# Altium PCB PCB1.PcbDoc
Units mm, origin at the board's own origin, x right, y up, seen from the top; angles counter-clockwise.
Board outline 110 x 110 mm, 2 copper layers (Top Layer, Bottom Layer); 63 components, 57 nets, 317 pads, 13 vias.
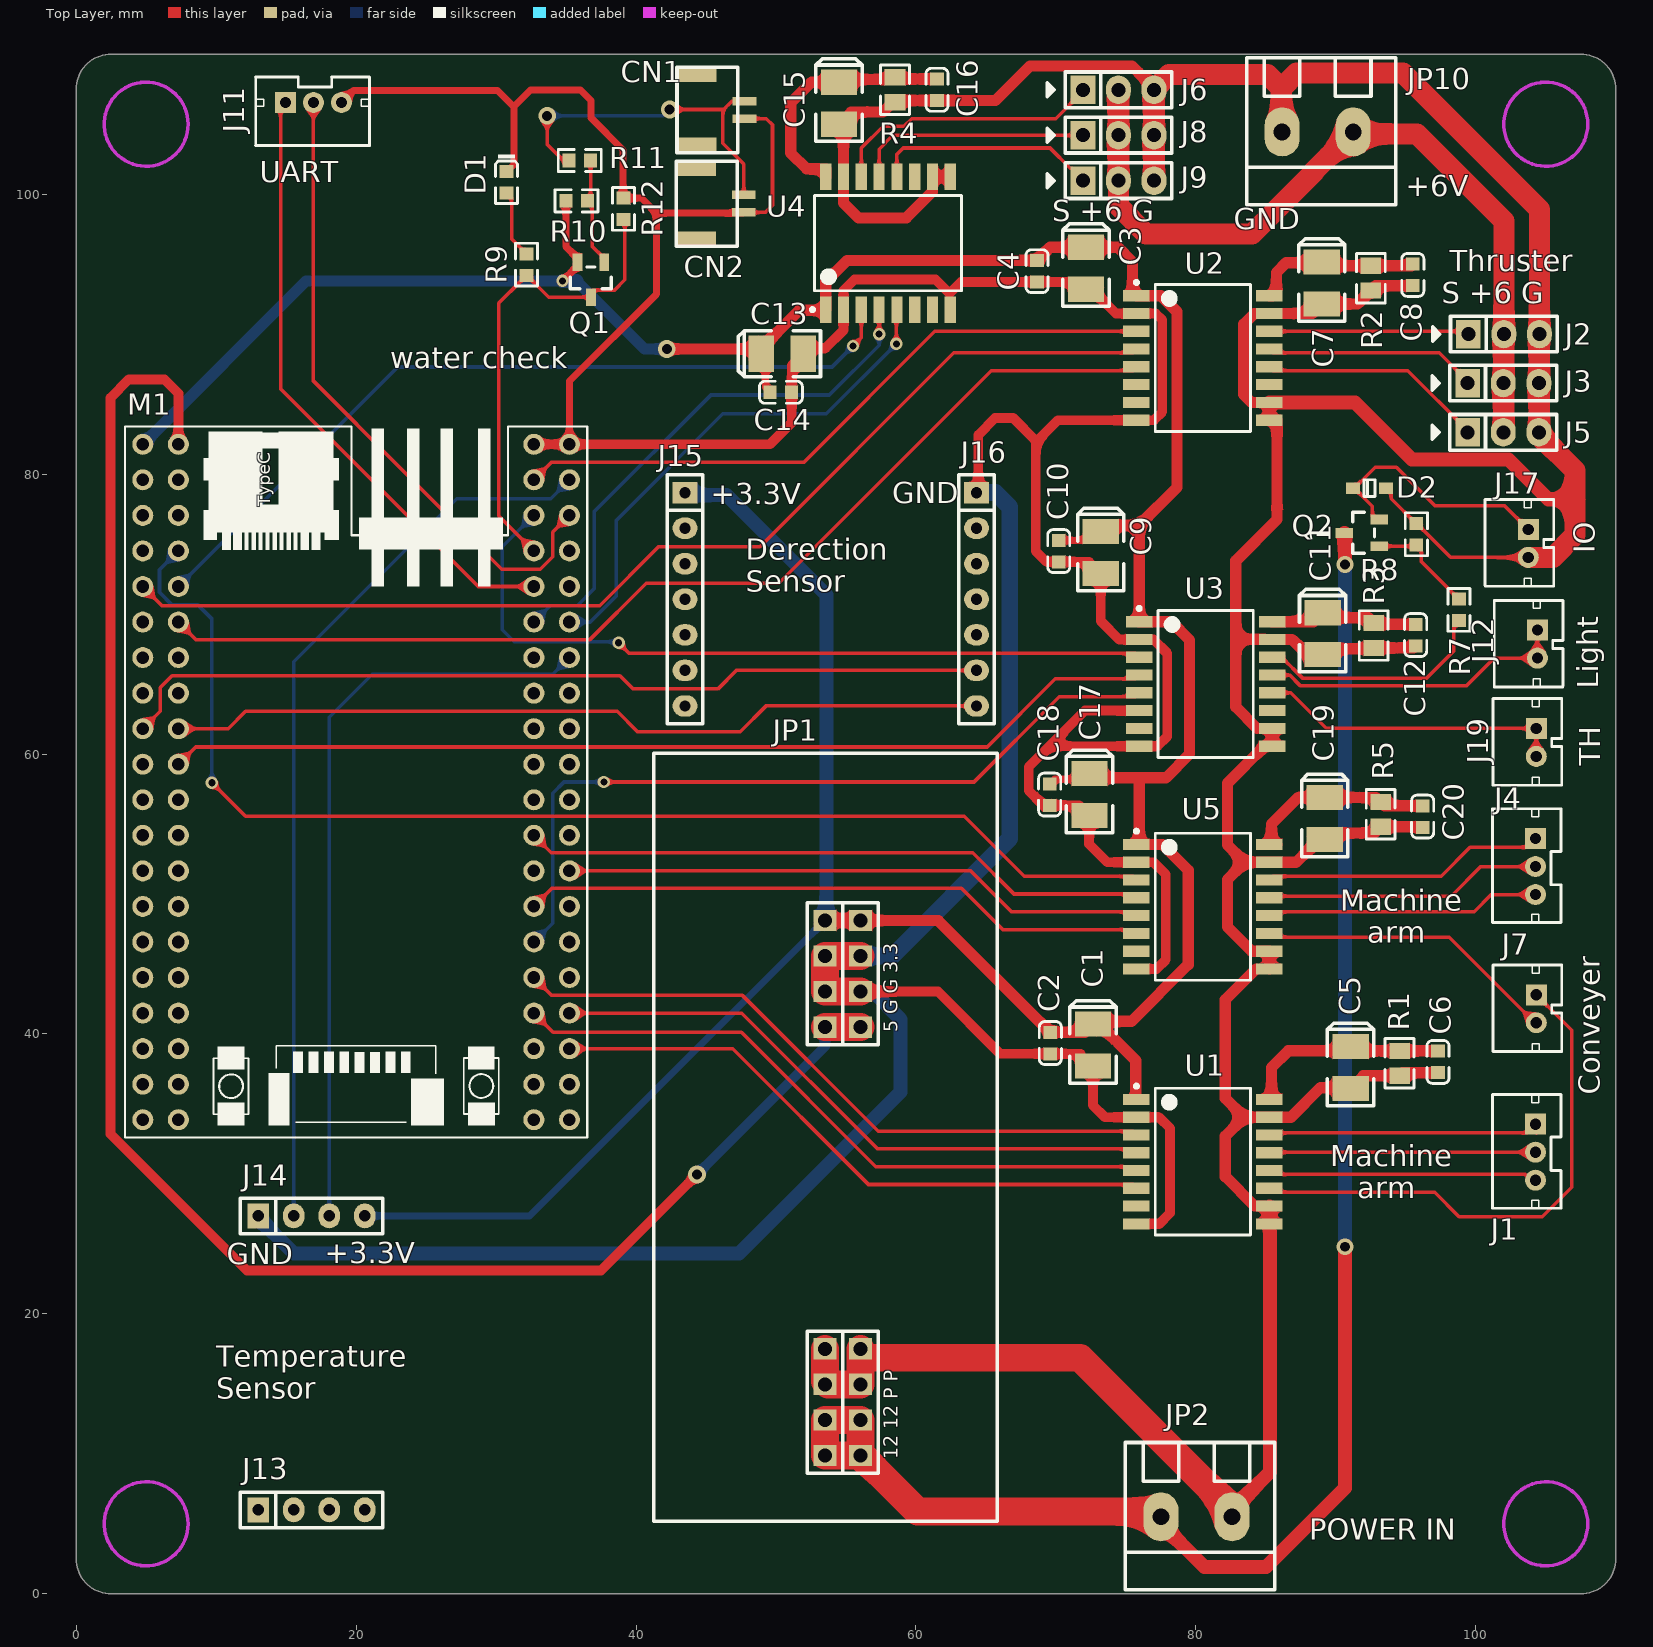
[diagram p0: Top Layer view]
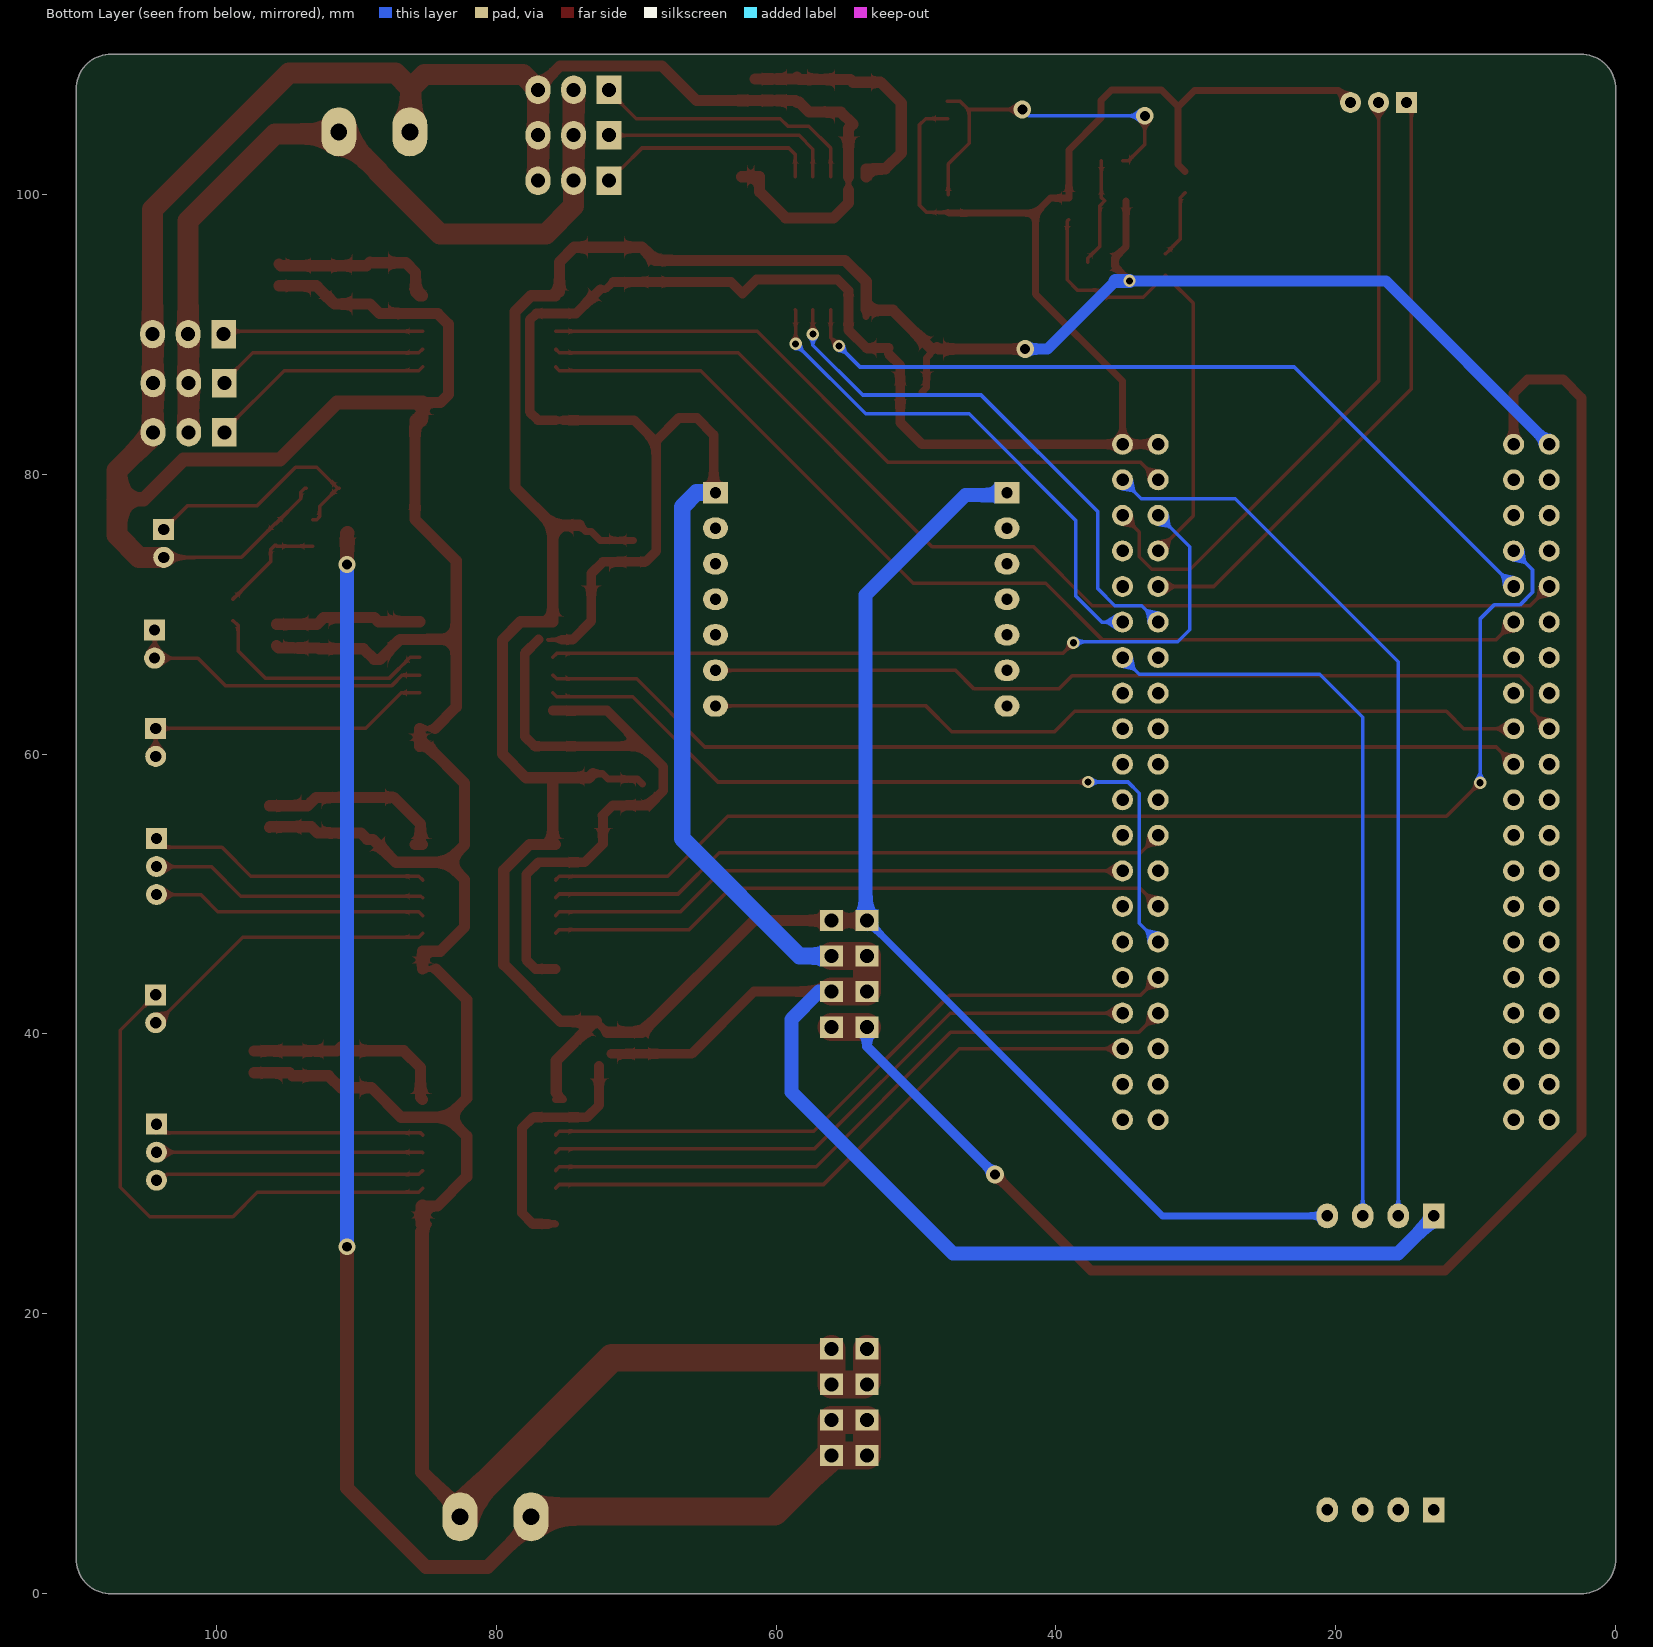
[diagram p1: Bottom Layer view, seen from below]

## Layer stack, top to bottom
Top Solder: solder mask 0.0102, Solder Resist, Dk 3.5
Top Layer: signal copper 0.0356
Dielectric 1: dielectric 0.32, FR-4, Dk 4.8
Bottom Layer: signal copper 0.0356
Bottom Solder: solder mask 0.0102, Solder Resist, Dk 3.5

## Board outline
2.5,0 cw(c2.5,2.5) 0,2.5 0,107.5 cw(c2.5,107.5) 2.5,110 107.5,110 cw(c107.5,107.5) 110,107.5 110,2.5 cw(c107.5,2.5) 107.5,0

## Design rules (kind name [scope] priority, off if disabled: settings)
Clearance [All] p1: gap=0.254 ignorepadtopadclearanceinfootprint=FALSE
PolygonConnect [All] p1: connectstyle=Relief reliefconductorwidth=0.254 reliefentries=4 polygonreliefangle="90 Angle" airgapwidth=0.254
RoutingVias [All] p1: holewidth=0.711 width=1.27 viastyle="Through Hole" minholewidth=0.508 minwidth=0.889 maxholewidth=0.711 maxwidth=1.27
SolderMaskExpansion [All] p1: expansion=0.102
Width [All] p1: maxlimit=3 minlimit=0.254 preferedwidth=0.254
30 further rules are at their usual default settings.

## Classes and differential pairs
component class STM32: M1
component class OUTPUT: D2 J1 J2 J3 J4 J5 J6 J7 J8 J9 J11 J12 J17 J19 JP10 Q2 R7 R8
component class ISOLATOR: C1 C2 C3 C4 C5 C6 C7 C8 C9 C10 C11 C12 C13 C14 C15 C16 C17 C18 C19 C20 R1 R2 R3 R4 R5 U1 U2 U3 U4 U5
component class POWER: JP1 JP2
component class Designator: CN1 CN2 D1 J13 J14 J15 J16 Q1 R9 R10 R11 R12

## Components (designator, comment, footprint, x,y, rotation, side; value= is the part's Value field where it differs from the comment)
C1 "10uF" CASE-B_3528 72.65,39.2 r90 top
C2 "0.1uF" 0603_C 69.6,39.35 r90 top
C3 "10uF" CASE-B_3528 72.15,94.71 r90 top
C4 "0.1uF" 0603_C 68.65,94.5 r90 top
C5 "10uF" CASE-B_3528 91.05,37.6 r90 top
C6 "0.1uF" 0603_C 97.3,38 r90 top
C7 "10uF" CASE-B_3528 89,93.657 r90 top
C8 "0.1uF" 0603_C 95.5,94.23 r90 top
C9 "10uF" CASE-B_3528 73.2,74.4 r90 top
C10 "0.1uF" 0603_C 70.2,74.5 r90 top
C11 "10uF" CASE-B_3528 89.05,68.6 r90 top
C12 "0.1uF" 0603_C 95.7,68.5 r90 top
C13 "10uF" CASE-B_3528 50.45,88.6 r180 top
C14 "0.1uF" 0603_C 50.35,85.85 r180 top
C15 "10uF" CASE-B_3528 54.5,106.5 r90 top
C16 "0.1uF" 0603_C 61.5,107.46 r90 top
C17 "10uF" CASE-B_3528 72.4,57.1 r90 top
C18 "0.1uF" 0603_C 69.55,57.1 r90 top
C19 "10uF" CASE-B_3528 89.2,55.402 r90 top
C20 "0.1uF" 0603_C 96.2,55.53 r90 top
CN1 "1.25T-2AW_C722634" GH-1.25 47.75,106.65 r270 top
CN2 "1.25T-2AW_C722634" GH-1.25 47.7,99.95 r270 top
D1 "红灯 0603" 0603_LED_S1 30.75,100.86 r270 top
D2 "1N4148WS T4" SOD-323 92.4,79 r0 top
J1 "PH2.0-3P" PH2.0-3P 104.268,33.55 r270 top
J2 "HDR1x3" PIN-3-2.54-1.0 102,90 r0 top
J3 "HDR1x3" PIN-3-2.54-1.0 101.96,86.5 r0 top
J4 "PH2.0-3P" PH2.0-3P 104.268,53.96 r270 top
J5 "HDR1x3" PIN-3-2.54-1.0 101.96,82.988 r0 top
J6 "HDR1x3" PIN-3-2.54-1.0 74.46,107.46 r0 top
J7 "PH2.0-2P" PH2.0-2P 104.318,42.8 r270 top
J8 "HDR1x3" PIN-3-2.54-1.0 74.46,104.21 r0 top
J9 "HDR1x3" PIN-3-2.54-1.0 74.46,100.96 r0 top
J11 "PH2.0-3P" PH2.0-3P 14.95,106.55 r0 top
J12 "PH2.0-2P" PH2.0-2P 104.4,68.85 r270 top
J13 "Female HDR1X4" Fe-HDR1X4/2.54-S 13,6 r90 top
J14 "Female HDR1X4" Fe-HDR1X4/2.54-S 13,27 r90 top
J15 "Female HDR1X7" Fe-HDR1X7/2.54-S#1 43.5,78.675 r180 top
J16 "Female HDR1X7" Fe-HDR1X7/2.54-S#2 64.328,78.675 r0 top
J17 "PH2.0-2P" PH2.0-2P 103.75,76.05 r270 top
J19 "PH2.0-2P" PH2.0-2P 104.318,61.831 r270 top
JP1 "排针-座 2*4" "排针-座 2*4" 56.04,9.88 r180 top
JP2 "HDR-1X2" KF128-5.08-2P#1 82.58,5.5 r180 top
JP10 "HDR-1X2" KF128-5.08-2P#2 88.7,104.45 r180 top
M1 "FK750M2-VBT6核心板" FK750M2-VBT6(精简版) 20,58 r90 top
Q1 "SS8550 Y2" SOT-23(SOT-23-3) 36.771,93.9 r90 top
Q2 "SI2302" SOT-23(SOT-23-3) 91.85,75.8 r0 top
R1 "5.1KΩ (5101) ±1%" 0805_R 94.55,37.9 r90 top
R2 "5.1KΩ (5101) ±1%" 0805_R 92.5,94 r90 top
R3 "5.1KΩ (5101) ±1%" 0805_R 92.7,68.47 r90 top
R4 "5.1KΩ (5101) ±1%" 0805_R 58.5,107.46 r90 top
R5 "5.1KΩ (5101) ±1%" 0805_R 93.2,55.69 r90 top
R7 "300Ω" 0603_R 98.8,70.3 r270 top
R8 "4.7KΩ (4701) ±1%" 0603_R 95.75,75.7 r270 top
R9 "240Ω (2400) ±1%" 0603_R 32.176,94.965 r270 top
R10 "27KΩ (2702) ±1%" 0603_R 35.75,99.52 r180 top
R11 "1KΩ (1001) ±1%" 0603_R 35.98,102.4 r0 top
R12 "1KΩ (1001) ±1%" 0603_R 39.1,98.95 r270 top
U1 "ISOW7840" ISOW7840 80.5,30.875 r0 top
U2 "ISOW7840" ISOW7840 80.5,88.298 r0 top
U3 "ISOW7840" ISOW7840 80.7,65.006 r0 top
U4 "ISOW7840" ISOW7840 58,96.5 r90 top
U5 "ISOW7840" ISOW7840 80.5,49.089 r0 top

## Footprints (in the part's own frame and the unit in brackets; to place one, negate y for a bottom-side part, rotate by r counter-clockwise, add the part's x,y. Pads: shape width x height; smd on the part's side, far side on the other; paste and mask are expansions set on the pad)
0603_C [mm]
  rect 0.93x0.98 smd: 1(-0.77,0) 2(0.77,0)
  silkscreen extent -1.53,-0.79 1.54,0.79, body extent -0.8,-0.4 0.8,0.4, height 0.3
0603_LED_S1 [mm]
  rect 0.93x0.98 smd: A(0.77,0) K(-0.77,0)
  silkscreen extent -1.97,-0.79 1.54,0.79, body extent -0.8,-0.4 0.8,0.4, height 0.6
0603_R [mm]
  rect 0.93x0.98 smd: 1(-0.77,0) 2(0.77,0)
  silkscreen extent -1.54,-0.79 1.54,0.79, body extent -0.85,-0.4 0.85,0.4, height 0.56
0805_R [mm]
  rect 1.16x1.47 smd: 1(-0.89,0) 2(0.89,0)
  silkscreen extent -1.77,-1.04 1.77,1.03, body extent -1,-0.62 1,0.63, height 0.49
CASE-B_3528 [mm]
  rect 1.8x2.6 smd: 1(1.5,0) 2(-1.5,0)
  silkscreen extent -2.73,-1.65 3.16,1.65, body extent -1.85,-1.47 1.85,1.46, height 2.03
Fe-HDR1X4/2.54-S [mil]
  rect 70x60 hole 32: 1(0,0)
  oval 70x60 hole 32: 2(0,-100) 3(0,-200) 4(0,-300)
  silkscreen extent -50,-350 50,50, body extent -44,-355 54,55, height 335
Fe-HDR1X7/2.54-S#1 [mil]
  rect 70x60 hole 32: 1(0,0)
  oval 70x60 hole 32: 2(0,100) 3(0,200) 4(0,300) 5(0,400) 6(0,500) 7(0,600)
  silkscreen extent -50,-50 50,650, body extent -49,-55 49,655, height 126
Fe-HDR1X7/2.54-S#2 [mil]
  rect 70x60 hole 32: 1(0,0)
  oval 70x60 hole 32: 2(0,-100) 3(0,-200) 4(0,-300) 5(0,-400) 6(0,-500) 7(0,-600)
  silkscreen extent -50,-650 50,50, body extent -49,-655 49,55, height 126
FK750M2-VBT6(精简版) [mm]
  round 1.5 hole 0.9: 1(24.13,-12.7) 2(24.13,-15.24) 3(21.59,-12.7) 4(21.59,-15.24) 5(19.05,-12.7) 6(19.05,-15.24) 7(16.51,-12.7) 8(16.51,-15.24) 9(13.97,-12.7) 10(13.97,-15.24) 11(11.43,-12.7) 12(11.43,-15.24) 13(8.89,-12.7) 14(8.89,-15.24) 15(6.35,-12.7) 16(6.35,-15.24) 17(3.81,-12.7) 18(3.81,-15.24) 19(1.27,-12.7) 20(1.27,-15.24) 21(-1.27,-12.7) 22(-1.27,-15.24) 23(-3.81,-12.7) 24(-3.81,-15.24) 25(-6.35,-12.7) 26(-6.35,-15.24) 27(-8.89,-12.7) 28(-8.89,-15.24) 29(-11.43,-12.7) 30(-11.43,-15.24) 31(-13.97,-12.7) 32(-13.97,-15.24) 33(-16.51,-12.7) 34(-16.51,-15.24) 35(-19.05,-12.7) 36(-19.05,-15.24) 37(-21.59,-12.7) 38(-21.59,-15.24) 39(-24.13,-12.7) 40(-24.13,-15.24) 41(24.13,15.24) 42(24.13,12.7) 43(21.59,15.24) 44(21.59,12.7) 45(19.05,15.24) 46(19.05,12.7) 47(16.51,15.24) 48(16.51,12.7) 49(13.97,15.24) 50(13.97,12.7) 51(11.43,15.24) 52(11.43,12.7) 53(8.89,15.24) 54(8.89,12.7) 55(6.35,15.24) 56(6.35,12.7) 57(3.81,15.24) 58(3.81,12.7) 59(1.27,15.24) 60(1.27,12.7) 61(-1.27,15.24) 62(-1.27,12.7) 63(-3.81,15.24) 64(-3.81,12.7) 65(-6.35,15.24) 66(-6.35,12.7) 67(-8.89,15.24) 68(-8.89,12.7) 69(-11.43,15.24) 70(-11.43,12.7) 71(-13.97,15.24) 72(-13.97,12.7) 73(-16.51,15.24) 74(-16.51,12.7) 75(-19.05,15.24) 76(-19.05,12.7) 77(-21.59,15.24) 78(-21.59,12.7) 79(-24.13,15.24) 80(-24.13,12.7)
  silkscreen extent -25.4,-16.51 25.4,16.51, body extent -25.4,-16.51 25.4,16.51, height 8.36
GH-1.25 [mm]
  rect 1x2.8 smd: 0(-1.85,-3.4) 0(3.1,-3.4)
  rect 0.6x1.7 smd: 1(0,0) 2(1.25,0)
  silkscreen extent -2.41,-4.83 3.68,-0.48
ISOW7840 [mm] "SOIC, 16-Leads, Body 10.30x7.50mm, Pitch 1.27mm, IPC Medium Density"
  rect 1.9x0.8 smd: 1(-4.75,4.445) 2(-4.75,3.175) 3(-4.75,1.905) 4(-4.75,0.635) 5(-4.75,-0.635) 6(-4.75,-1.905) 7(-4.75,-3.175) 8(-4.75,-4.445) 9(4.75,-4.445) 10(4.75,-3.175) 11(4.75,-1.905) 12(4.75,-0.635) 13(4.75,0.635) 14(4.75,1.905) 15(4.75,3.175) 16(4.75,4.445)
  silkscreen extent -4.87,-5.25 3.4,5.52, body extent -3.8,-5.25 3.8,5.25, height 2.65
KF128-5.08-2P#1 [mm] "螺钉式接线端子，脚距5.08mm"
  oval 2.5x3.5 hole 1.2: 1(0,0) 2(5.08,0)
  silkscreen extent -3.05,-5.31 7.62,5.21, body extent -3.05,-5.38 7.61,5.12, height 14.15
KF128-5.08-2P#2 [mm] "螺钉式接线端子，脚距5.08mm"
  oval 2.5x3.5 hole 1.2: 1(-2.54,0) 2(2.54,0)
  silkscreen extent -5.59,-5.31 5.08,5.21, body extent -5.58,-5.3 5.08,5.2, height 14.15
PH2.0-2P [mm]
  rect 1.5x1.5 hole 0.8: 1(0,0)
  round 1.5 hole 0.8: 2(2,0)
  silkscreen extent -2.13,-3.08 4.06,1.82, body extent -1.95,-2.97 3.95,1.73, height 6.01
PH2.0-3P [mm]
  rect 1.5x1.5 hole 0.8: 1(0,0)
  round 1.5 hole 0.8: 2(2,0) 3(4,0)
  silkscreen extent -2.13,-3.08 6,1.82, body extent -1.95,-3.02 5.95,1.68, height 6.01
PIN-3-2.54-1.0 [mil] "Pin Header"
  rect 70x80 hole 39.37: 1(-100,0)
  oval 70x80 hole 39.37: 2(0,0) 3(100,0)
  silkscreen extent -200,-50 150,50, body extent -150,-50 150,50, height 398
SOD-323 [mm]
  rect 1x0.83 smd: 1(1.18,0) 2(-1.18,0)
  silkscreen extent -0.4,-0.6 0.4,0.6, body extent -1.35,-0.62 1.35,0.63, height 1.1
SOT-23(SOT-23-3) [mm]
  rect 1.25x0.7 smd: 1(1.25,-0.95) 2(1.25,0.95) 3(-1.25,0)
  silkscreen extent -0.65,-1.46 0.9,1.46, body extent -1.5,-1.5 1.5,1.5, height 1.3
"排针-座 2*4" [mil]
  rect 65x60 hole 40: 1(0,0) 2(0,-100) 3(0,-200) 4(0,-300) 5(100,-300) 6(100,-200) 7(100,-100) 8(100,0) 9(0,-1205) 10(0,-1305) 11(0,-1405) 12(0,-1505) 13(100,-1505) 14(100,-1405) 15(100,-1305) 16(100,-1205)
  silkscreen extent -385,-1975 582,185

## Part data
C1 C3 C5 C7 C9 C11 C13 C15 C17 C19: library part "3528 100uF (107) 10% 6.3V", "钽电容", Package=3528, SuppliersPartNumber=C16133, ComponentLink1Description=供应商链接, ComponentLink1URL=http://www.szlcsc.com/product/details_16815.html, Supplier=LC
C2 C4 C6 C8 C10 C12 C14 C16 C18 C20: library part "0603 100nF (104) 10% 50V", "贴片电容", Package=0603, SuppliersPartNumber=C14663, ComponentLink1Description=供应商链接, ComponentLink1URL=http://www.szlcsc.com/product/details_15331.html, Supplier=LC
CN1 CN2: library part "GH 1.25T-2AW_C722634", BOM_Manufacturer=CAX, BOM_Manufacturer Part=1.25T-2AW, BOM_Paste Type=expand, BOM_Supplier=LCSC, BOM_Supplier Part=C722634, Contributor=LCSC, spicePre=C, spiceSymbolName=1.25T-2AW_C722634
D1: library part "0603 红灯", "发光二极管", Package=0603, SuppliersPartNumber=C2286, ComponentLink1Description=供应商链接, ComponentLink1URL=http://www.szlcsc.com/product/details_2659.html, Supplier=LC
D2: library part "SOD-323 1N4148WS T4", "二极管", Package=SOD-323, SuppliersPartNumber=C2128, ComponentLink1Description=供应商链接, ComponentLink1URL=http://www.szlcsc.com/product/details_2485.html, Supplier=LC
J2 J3 J5 J6 J8 J9: "Connector"
JP2 JP10: library part "Header 2", "2P接插件"
M1: library part FK750M2-VBT6
Q1: library part "SOT-23 SS8550 Y2", "三极管", Package=SOT-23, SuppliersPartNumber=C8542, ComponentLink1Description=供应商链接, ComponentLink1URL=http://www.szlcsc.com/product/details_9037.html, Supplier=LC
Q2: library part "2N7002 7002", "MOS(场效应管)", Package=SOT-23(SOT-23-3), SuppliersPartNumber=C8545, ComponentLink1Description=供应商链接, ComponentLink1URL=http://www.szlcsc.com/product/details_9040.html, Supplier=LC
R1 R2 R3 R4 R5: library part "0805 5.1KΩ (5101) 1%", "贴片电阻", Package=0805, SuppliersPartNumber=C27834, ComponentLink1Description=供应商链接, ComponentLink1URL=http://www.szlcsc.com/product/details_28584.html, Supplier=LC
R7: library part "0603 10KΩ (1002) 1%", "贴片电阻", Package=0603, SuppliersPartNumber=C25804, ComponentLink1Description=供应商链接, ComponentLink1URL=http://www.szlcsc.com/product/details_26547.html, Supplier=LC
R8: library part "0603 4.7KΩ (4701) 1%", "贴片电阻", Package=0603, SuppliersPartNumber=C23162, ComponentLink1Description=供应商链接, ComponentLink1URL=http://www.szlcsc.com/product/details_23889.html, Supplier=LC
R9: library part "0603 240Ω (2400) 1%", "贴片电阻", Package=0603, SuppliersPartNumber=C23350, ComponentLink1Description=供应商链接, ComponentLink1URL=http://www.szlcsc.com/product/details_24083.html, Supplier=LC
R10: library part "0603 27KΩ (2702) 1%", "贴片电阻", Package=0603, SuppliersPartNumber=C22967, ComponentLink1Description=供应商链接, ComponentLink1URL=http://www.szlcsc.com/product/details_23694.html, Supplier=LC
R11 R12: library part "0603 1KΩ (1001) 1%", "贴片电阻", Package=0603, SuppliersPartNumber=C21190, ComponentLink1Description=供应商链接, ComponentLink1URL=http://www.szlcsc.com/product/details_21904.html, Supplier=LC

## Via types
v1: diameter 0.889, hole 0.508, Top Layer to Bottom Layer, tented both sides, 7 vias
v2: diameter 1.27, hole 0.711, Top Layer to Bottom Layer, 4 vias
v3: diameter 1.2, hole 0.7, Top Layer to Bottom Layer, tented both sides, 2 vias

## Nets (pads, with @x,y where several pads share a name; then routed paths per layer and width w, separated by ;. In a path a pad name is that pad's centre, name@x,y a point inside that pad or via, vN(x,y) a via of type N, cw(c..) or ccw(c..) an arc to the next point about the centre after c; other vN are vias at no path point)
+3.3: C1.1 C2.2 C3.1 C4.2 C9.1 C10.2 C13.1 C14.2 C17.1 C18.2 J14.4 J15.1 JP1.12 JP1.13 M1.41 Q1.2 R10.2 U1.1 U2.1 U3.1 U4.1 U5.1 | length 284.2
  Top Layer w0.254: C13.1@48.5,89.05 C13.1 C13.1@48.95,88.777 ; U2.1@75.477,93.016 U2.1 ; U5.1 U5.1@75.951,53.736
  Top Layer w0.5: v1(34.746,93.8) 35.821,94.875 Q1.2 35.821,95.425 34.98,96.266 R10.2 ; C13.1 49.242,88.308 49.242,86.188 C14.2 ; C13.1@48.95,88.777 C13.1@48.95,89 ; U4.1@53.555,91.273 U4.1 ; C18.2 69.888,58.208 72.008,58.208 C17.1 C17.1@73.077,58.6 ; C2.2@69.575,40.12 C2.2 ; C10.2 72.57,75.27 C9.1 73.6,75.9 C9.1@74.05,76.35 ; C1.1@72.07,40.12 C1.1 ; C1.1@72.85,40.9 C1.1 ; C1.1@73.1,40.7 C1.1 ; 75.7,35.82 75.2,35.32 U1.1
  Top Layer w0.8: v2(42.2,88.933) 48.383,88.933 C13.1@48.5,89.05 ; C13.1@48.95,89 51.65,91.7 U4.1@53.282,91.7 ; U4.1 53.555,93.755 55.07,95.27 C4.2 69.59,96.21 C3.1 74.417,96.21 75.477,95.15 U2.1@75.477,93.016 ; JP1.12 61.588,48.107 C2.2@69.575,40.12 ; C2.2 C1.1@72.07,40.12 ; C1.1@72.85,40.9 75.4,40.9 79.45,44.95 79.45,51.7 77.616,53.534 U5.1 ; C17.1@73.077,58.6 73.377,58.3 77.85,58.3 79.55,60 79.55,68.15 78.25,69.45 U3.1 ; C1.1@73.1,40.7 75.7,38.1 75.7,35.82 ; C9.1@74.05,76.35 75.95,76.35 ; U2.1 77.507,92.743 78.65,91.6 78.65,79.05 75.95,76.35 ; U3.1 75.95,76.35 ; U5.1@75.951,53.736 75.951,58.151
  Top Layer w1: JP1.13 JP1.12
  Bottom Layer w0.5: J14.4 32.393,27 JP1.13
  Bottom Layer w0.8: M1.41 16.43,93.8 v1(34.746,93.8) ; 35.75,93.8 40.617,88.933 v2(42.2,88.933)
  Bottom Layer w1: v1(34.746,93.8) 35.75,93.8 ; J15.1 43.675,78.5 46.45,78.5 53.6,71.35 53.6,48.207 JP1.13
+5: JP1.9 JP1.16 M1.42 | length 128.1
  Top Layer w0.7: M1.42 7.3,85.75 6.3,86.75 3.75,86.75 2.45,85.45 2.45,32.85 12.2,23.1 37.5,23.1 v2(44.35,29.95)
  Top Layer w2: JP1.16 JP1.9
  Bottom Layer w0.254: JP1.16@53.213,40.2 JP1.16
  Bottom Layer w0.7: v2(44.35,29.95) 53.5,39.1 JP1.16
+6: J2.2 J3.2 J5.2 J6.2 J8.2 J9.2 JP10.1 | length 57.5
  Top Layer w1.5: J6.2 J8.2 J9.2 74.46,99.14 76.45,97.15 84,97.15 88.45,101.6 88.45,101.66 JP10.1 91.39,104.3 95.8,104.3 102,98.1 J2.2 101.98,89.98 101.98,83.008 J5.2
+12P: JP1.1 JP1.2 JP1.7 JP1.8 JP2.2 Q2.3 | length 119
  Top Layer w0.254: JP2.2@77.5,5 JP2.2
  Top Layer w1: JP2.2@77.5,5 80.6,1.9 85,1.9 90.65,7.55 v3(90.65,24.8) ; Q2.3 90.65,75.75 v3(90.65,73.55)
  Top Layer w2: JP2.2 77.127,5.873 60.11,5.873 56.103,9.88 JP1.1 ; JP1.1 JP1.8 JP1.7 JP1.2 JP1.1
  Bottom Layer w1: v3(90.65,24.8) v3(90.65,73.55)
GND: C1.2 C2.1 C3.2 C4.1 C9.2 C10.1 C13.2 C14.1 C17.2 C18.1 CN1.2 CN2.2 D1.K J11.3 J14.1 J16.1 JP1.10 JP1.11 JP1.14 JP1.15 M1.1 M1.2 R12.1 U1.2 U1.8 U2.2 U2.8 U3.2 U3.6 U3.8 U4.2 U4.8 U5.2 U5.8 | length 366.5
  Top Layer w0.254: D1.K D1.K@30.775,101.63 ; R12.1@39.075,99.72 R12.1 ; CN2.2 49.25,98.7 49.75,99.2 49.75,104.949 49.299,105.4 CN1.2 ; J16.1 J16.1@64.455,78.675 ; U2.8@75.2,83.853 U2.8 ; U3.2@75.3,68.162 U3.2@76.319,68.162
  Top Layer w0.5: J11.3 19.8,107.4 30.1,107.4 31.271,106.229 ; D1.K@30.775,101.63 31.271,102.126 31.271,106.229 ; M1.2 35.24,86.64 41.45,92.85 41.45,98.65 ; R12.1@39.075,99.72 39.075,103.153 36.771,105.457 36.771,106.699 36.02,107.45 32.45,107.45 31.271,106.271 31.271,106.229 ; R12.1 40.38,99.72 41.45,98.65 ; CN2.2 47.65,98.65 41.45,98.65 ; C14.1@51.12,85.825 C14.1 ; C13.2 C13.2@51.95,89 ; C3.2@71.63,93.73 C3.2 C3.2@72.55,93.21 ; U1.8 U1.8@76.3,26.43
  Top Layer w0.7: M1.1 M1.2 49.58,82.13 51.12,83.67 C14.1@51.12,85.825 ; C14.1 51.12,87.77 C13.2 ; C13.2@51.95,89 53.55,89 54.825,90.275 U4.2 54.825,93.125 55.6,93.9 61.4,93.9 62.395,92.905 63.22,93.73 C4.1 C3.2@71.63,93.73 ; JP1.10 61.573,43.027 66.02,38.58 C2.1 C1.2@71.77,38.58 ; J16.1@64.455,78.675 64.455,82.805 65.65,84 66.95,84 68.55,82.4 68.55,82.25 ; C3.2@72.55,93.21 74.287,91.473 U2.2 77.127,91.473 77.6,91 77.6,84.45 77.003,83.853 U2.8 ; C1.2 72.65,34.9 73.5,34.05 U1.2 77.366,34.05 78.15,33.266 78.15,27.2 77.38,26.43 U1.8@76.3,26.43 ; U2.8@75.2,83.853 70.153,83.853 68.55,82.25 ; U3.2@75.3,68.162 74.519,68.181 73.2,69.5 C9.2 72.37,73.73 C10.1 69.32,73.73 68.55,74.5 68.55,82.25 ; U5.8 77.194,44.644 77.85,45.3 77.85,51.4 76.986,52.264 U5.2 73.686,52.264 72.37,53.58 72.37,55.57 C17.2 71.67,56.33 C18.1 69.12,56.33 68.05,57.4 68.05,59.067 69.543,60.561 ; U3.6 72.083,63.101 69.543,60.561 ; 76.969,68.181 77.95,67.2 77.95,61.25 77.261,60.561 U3.8 69.543,60.561
  Top Layer w2: JP1.10 JP1.15 JP1.14 JP1.11
  Bottom Layer w1: J14.1 13,26.873 15.573,24.3 47.35,24.3 58.9,35.85 58.9,41.05 56.923,43.027 JP1.10
  Bottom Layer w1.2: JP1.11 58.317,45.567 66.7,53.95 66.7,77.65 65.675,78.675 J16.1
NetC5_1: C5.1 C6.2 R1.2 U1.16 | length 15
  Top Layer w0.254: C6.2@97.28,38.79 C6.2
  Top Layer w0.8: U1.16 85.4,35.47 85.4,37.6 86.6,38.8 90.75,38.8 C5.1 91.36,38.79 R1.2 C6.2@97.28,38.79
NetC7_1: C7.1 C8.2 R2.2 U2.16 | length 12.2
  Top Layer w0.8: U2.16 85.477,92.743 85.75,93.016 85.75,94.4 86.45,95.1 88.943,95.1 C7.1 89.267,94.89 R2.2 95.39,94.89 C8.2
NetC11_1: C11.1 C12.2 R3.2 U3.16 | length 10.6
  Top Layer w0.8: U3.16 88.406,69.451 88.7,69.745 92.315,69.745 R3.2 92.79,69.27 C12.2
NetC15_1: C15.1 C16.2 R4.2 U4.16 | length 18.3
  Top Layer w0.8: U4.16 53.555,101.8 52.2,101.8 51.05,102.95 51.05,106.5 52.55,108 C15.1 54.7,108.2 58.35,108.2 R4.2 58.62,108.23 C16.2
NetC19_1: C19.1 C20.2 R5.2 U5.16 | length 13.9
  Top Layer w0.8: U5.16 U5.16@85.397,53.534 ; U5.16@85.8,53.534 U5.16@85.397,53.534 ; C20.2 93.48,56.3 R5.2 92.878,56.902 C19.1 87.303,56.902 85.397,54.997 U5.16@85.397,53.534
NetCN1_1: CN1.1 CN2.1 R11.1 | length 25.3
  Top Layer w0.254: v2(33.65,105.6) 33.65,103.55 34.8,102.4 R11.1 ; v2(42.4,106.05) 46.15,106.05 46.2,106 ; CN2.1 47.7,102.15 46.2,103.65 46.2,106 ; CN1.1 46.85,106.65 46.2,106
  Bottom Layer w0.254: v2(33.65,105.6) 41.95,105.6 v2(42.4,106.05)
NetD1_A: D1.A R9.1 | length 5
  Top Layer w0.254: D1.A 30.775,100.09 31.113,99.752 31.113,96.798 31.813,96.098 31.813,96.073 32.151,95.735 R9.1
NetD2_2: D2.2 J17.1 Q2.2 | length 18.1
  Top Layer w0.254: D2.2 D2.2@91.305,79 ; Q2.2 92.825,76.75 92.602,76.973 92.602,77.703 D2.2@91.305,79 ; J17.1 102.05,77.75 97.078,77.75 94.328,80.5 92.805,80.5 D2.2@91.305,79
NetJ1_1: J1.1 U1.14 | length 19.7
  Top Layer w0.254: U1.14 85.397,32.927 103.645,32.927 J1.1 ; J1.1@104.038,33.18 J1.1@104.318,32.9
NetJ1_2: J1.2 U1.13 | length 19
  Top Layer w0.254: U1.13 85.29,31.55 J1.2
NetJ1_3: J1.3 U1.12 | length 19.3
  Top Layer w0.254: U1.12 85.523,29.967 103.514,29.967 103.931,29.55 J1.3
NetJ2_1: J2.1 U2.14 | length 14.3
  Top Layer w0.254: U2.14 99.257,90.203 J2.1
NetJ3_1: J3.1 U2.13 | length 15.3
  Top Layer w0.254: U2.13 85.523,88.66 97.387,88.66 99.42,86.627 J3.1
NetJ4_1: J4.1 U5.14 | length 20.2
  Top Layer w0.254: U5.14 85.523,51.267 97.517,51.267 99.587,53.337 103.645,53.337 J4.1
NetJ4_2: J4.2 U5.13 | length 19.9
  Top Layer w0.254: U5.13 85.376,49.85 98.235,49.85 100.345,51.96 J4.2
NetJ4_3: J4.3 U5.12 | length 19.6
  Top Layer w0.254: U5.12 85.523,48.727 99.877,48.727 101.11,49.96 J4.3
NetJ5_1: J5.1 U2.12 | length 16.2
  Top Layer w0.254: U2.12 85.523,87.39 95.146,87.39 99.42,83.115 J5.1
NetJ6_1: J6.1 U4.14 | length 19.7
  Top Layer w0.254: U4.14 56.095,103.295 57.65,104.85 59.145,104.85 59.695,105.4 69.987,105.4 71.92,107.333 J6.1
NetJ7_1: J7.1 U1.11 | length 38.1
  Top Layer w0.254: U1.11 85.523,28.697 97.053,28.697 98.8,26.95 104.75,26.95 106.85,29.05 106.85,40.268 J7.1
NetJ7_2: J7.2 U5.11 | length 21.7
  Top Layer w0.254: U5.11 85.523,46.911 98.089,46.911 104.2,40.8 J7.2
NetJ8_1: J8.1 U4.13 | length 16.9
  Top Layer w0.254: U4.13 57.365,103.215 58.35,104.2 71.91,104.2 J8.1
NetJ9_1: J9.1 U4.12 | length 16.1
  Top Layer w0.254: U4.12 58.635,102.835 59.1,103.3 69.58,103.3 71.031,101.849 71.158,101.849 71.92,101.087 J9.1
NetJ11_1: J11.1 M1.9 | length 44.5
  Top Layer w0.254: J11.1 14.6,106.2 14.6,86.1 28.73,71.97 M1.9
NetJ11_2: J11.2 M1.6 | length 46.4
  Top Layer w0.254: J11.2 16.95,86.65 23.2,80.4 30.4,73.2 33.15,73.2 34.05,74.1 34.05,75.86 M1.6
NetJ12_1: J12.1 J12.2 U3.13 | length 22.1
  Top Layer w0.254: U3.13 86.693,65.641 87.442,64.892 99.342,64.892 101.3,66.85 J12.2 J12.1
NetJ14_2: J14.2 M1.4 | length 64.7
  Bottom Layer w0.254: J14.2 15.54,66.59 27.2,78.25 33.9,78.25 M1.4
NetJ14_3: J14.3 M1.14 | length 54.6
  Bottom Layer w0.254: J14.3 18.08,62.63 21.15,65.7 34.05,65.7 M1.14
NetJ16_6: J16.6 M1.57 | length 63.1
  Top Layer w0.254: M1.57 6,63.05 6,64.75 6.85,65.6 38.85,65.6 39.8,64.65 45.85,64.65 47.175,65.975 J16.6
NetJ16_7: J16.7 M1.58 | length 58.9
  Top Layer w0.254: M1.58 10.86,61.81 12.1,63.05 38.65,63.05 40.1,61.6 47.45,61.6 49.285,63.435 J16.7
NetJ19_1: J19.1 J19.2 U3.12 | length 21.9
  Top Layer w0.254: U3.12 86.779,64.371 89.319,61.831 90.122,61.831 J19.1 J19.2
NetM1_3: M1.3 U2.3 | length 47.4
  Top Layer w0.254: M1.3 33.96,80.85 52,80.85 61.353,90.203 U2.3
NetM1_5: M1.5 U3.3 | length 55.4
  Top Layer w0.254: v1(38.75,67.95) 39.516,67.184 75.677,67.184 U3.3
  Bottom Layer w0.254: M1.5 30.45,74.8 30.45,68.87 31.299,68.021 38.679,68.021 v1(38.75,67.95)
NetM1_7: M1.7 Q1.3 R9.2 R12.2 | length 34.2
  Top Layer w0.254: M1.7 30.2,77.01 30.2,92.219 31.813,93.832 31.813,93.857 32.151,94.195 R9.2 32.201,94.195 33.754,92.643 36.764,92.643 Q1.3 36.771,92.925 36.994,93.148 38.473,93.148 39.2,93.875 39.2,98.08 R12.2
NetM1_11: M1.11 U4.4 | length 38.6
  Top Layer w0.254: v1(57.365,90) U4.4
  Bottom Layer w0.254: M1.11 33.87,70.6 35.8,70.6 37,71.8 37,77.3 45.35,85.65 53.8,85.65 57.365,89.215 v1(57.365,90)
NetM1_12: M1.12 U4.5 | length 37.2
  Top Layer w0.254: v1(58.6,89.3) 58.6,91.715 U4.5
  Bottom Layer w0.254: M1.12 36.73,69.43 38.6,71.3 38.6,76.7 46.2,84.3 53.6,84.3 v1(58.6,89.3)
NetM1_23: M1.23 U5.4 | length 44.9
  Top Layer w0.254: M1.23 33.94,52.95 64.05,52.95 67.003,49.997 75.477,49.997 U5.4
NetM1_26: M1.26 U5.5 | length 41.8
  Top Layer w0.254: M1.26 63.9,51.65 66.823,48.727 75.477,48.727 U5.5
NetM1_27: M1.27 U5.6 | length 44.9
  Top Layer w0.254: M1.27 33.99,50.4 63.25,50.4 66.193,47.457 75.477,47.457 U5.6
NetM1_29: M1.29 U3.5 | length 56.1
  Top Layer w0.254: v1(37.7,58) 64.15,58 70.248,64.098 75.677,64.098 U3.5
  Bottom Layer w0.254: M1.29 34.05,47.92 34.05,57.2 34.85,58 v1(37.7,58)
NetM1_31: M1.31 U1.3 | length 47.7
  Top Layer w0.254: M1.31 33.98,42.75 47.6,42.75 57.297,33.053 75.477,33.053 U1.3
NetM1_33: M1.33 U1.5 | length 47.7
  Top Layer w0.254: M1.33 34.07,40.12 47.53,40.12 57.137,30.513 75.477,30.513 U1.5
NetM1_34: M1.34 U1.4 | length 44.6
  Top Layer w0.254: M1.34 47.56,41.49 57.267,31.783 75.477,31.783 U1.4
NetM1_36: M1.36 U1.6 | length 44.6
  Top Layer w0.254: M1.36 46.9,38.95 56.607,29.243 75.477,29.243 U1.6
NetM1_48: M1.48 U5.3 | length 88.7
  Top Layer w0.254: v1(9.7,57.95) 12.1,55.55 63.45,55.55 67.733,51.267 75.477,51.267 U5.3
  Bottom Layer w0.254: M1.48 5.95,73.16 5.95,71.55 6.85,70.65 8.7,70.65 9.7,69.65 v1(9.7,57.95)
NetM1_49: M1.49 U2.4 | length 79.2
  Top Layer w0.254: M1.49 6.13,70.6 37.4,70.6 41.6,74.8 48.85,74.8 62.71,88.66 75.477,88.66 U2.4
NetM1_50: M1.50 U4.3 | length 58.2
  Top Layer w0.254: v1(55.5,89.15) 56.095,89.745 U4.3
  Bottom Layer w0.254: M1.50 22.98,87.65 54,87.65 v1(55.5,89.15)
NetM1_52: M1.52 U2.5 | length 77.1
  Top Layer w0.254: M1.52 8.58,68.15 36.671,68.15 40.721,72.2 50.2,72.2 65.39,87.39 75.477,87.39 U2.5
NetM1_60: M1.60 U3.4 | length 71.3
  Top Layer w0.254: M1.60 8.53,60.5 65.088,60.5 69.956,65.368 75.677,65.368 U3.4
NetQ1_1: Q1.1 R10.1 R11.2 | length 7.8
  Top Layer w0.254: R11.2 36.75,99.75 R10.1 36.858,99.182 36.858,96.288 37.721,95.425 Q1.1
NetQ2_1: Q2.1 R7.1 R8.2 | length 8
  Top Layer w0.254: Q2.1 95.67,74.85 R8.2 95.775,74.93 96.113,74.592 96.113,73.732 98.775,71.07 R7.1 R7.1@98.65,71.22
NetR7_2: R7.2 U3.14 | length 16.7
  Top Layer w0.254: U3.14 86.142,66.911 87.653,65.4 96.45,65.4 98.437,67.387 98.437,69.192 98.775,69.53 R7.2
PGND: C5.2 C6.1 C7.2 C8.1 C11.2 C12.1 C15.2 C16.1 C19.2 C20.1 D2.1 J2.3 J3.3 J5.3 J6.3 J8.3 J9.3 J17.2 JP1.3 JP1.4 JP1.5 JP1.6 JP2.1 JP10.2 R1.1 R2.1 R3.1 R4.1 R5.1 R8.1 U1.9 U1.10 U1.15 U2.9 U2.10 U2.15 U3.9 U3.10 U3.15 U4.9 U4.10 U4.15 U5.9 U5.10 U5.15 | length 345.4
  Top Layer w0.254: 54.825,100.275 U4.15 ; JP1.4@56.103,17.5 JP1.4 JP1.4@56.675,16.865 ; J6.3 J6.3@77,107.587 ; JP2.1 JP2.1@82.58,6 ; 84.294,44.644 U5.9 ; 84.369,61.831 U3.10 ; U3.9@84.9,60.561 U3.9 ; U1.9 84.7,26.43 85.29,25.839 ; U2.9 U2.9@85.8,83.853 ; D2.1 93.665,79 93.953,78.712 93.953,78.242 95.725,76.47 R8.1 95.775,76.47 98.195,74.05 J17.2 ; R1.1 R1.1@94.77,37.23 ; J5.3@104.5,82.861 J5.3
  Top Layer w0.8: 54.825,100.275 54.825,99.375 55.9,98.3 59.3,98.3 61.175,100.175 U4.10 U4.9 ; U4.15 54.825,104.675 C15.2 55.379,105.879 57.654,105.879 58.345,106.57 R4.1 58.62,106.69 C16.1 65.69,106.69 68.15,109.15 75.437,109.15 J6.3@77,107.587 ; 84.294,44.644 82.1,42.45 82.1,35.399 83.45,34.05 ; 84.369,61.831 82.85,63.35 82.85,68.2 ; U3.9@84.9,60.561 82.25,57.911 82.25,53.5 83.486,52.264 ; U1.10@85.23,27.7 84.2,27.7 82.1,29.8 82.1,32.7 83.45,34.05 ; U5.9 U5.10 83.986,45.914 82.25,47.65 82.25,51.029 83.486,52.264 ; U2.9 U2.10 83.977,85.123 83.4,85.7 83.4,90.7 84.173,91.473 U2.15 88.316,91.473 C7.2 91.547,92.157 R2.1 92.85,93.46 C8.1 ; U3.9 U3.10 ; U2.9@85.8,83.853 85.8,76.76 82.85,73.81 82.85,68.2 ; R1.1 91.96,37.01 C5.2 90.988,36.162 88.9,36.162 86.788,34.05 U1.15 83.45,34.05 ; R1.1@94.77,37.23 C6.1 ; C12.1 95.55,67.58 R3.1 92.638,67.518 89.473,67.518 88.7,66.745 88.3,66.745 86.864,68.181 U3.15 84.9,68.181 84.881,68.2 82.85,68.2 ; C20.1 96.16,54.8 R5.1 92.747,54.347 89.644,54.347 C19.2 88.8,53.903 87.162,52.264 U5.15 83.486,52.264
  Top Layer w1: JP2.1@82.58,6 85.29,8.71 85.29,25.839 ; U1.9 U1.10@85.25,27.68 ; U2.10 91.377,85.123 95.45,81.05 102.35,81.05 105.2,78.2 107.1,78.2
  Top Layer w1.5: J9.3 J6.3 78.09,108.55 85.1,108.55 86.1,107.55 ; JP10.2 86.1,104.51 86.1,107.55 ; J17.2 105.5,74.05 107.1,75.65 107.1,78.2 107.1,80.261 J5.3@104.5,82.861 ; J5.3 104.52,83.008 104.52,89.98 J2.3 104.54,98.91 94.8,108.65 87.2,108.65 86.1,107.55
  Top Layer w2: JP1.5 53.5,15.16 53.7,14.96 JP1.3 JP1.4 ; JP1.4@56.675,16.865 71.715,16.865 JP2.1@82.58,6
pads on no net: CN1.0 CN2.0 J13.1 J13.2 J13.3 J13.4 J15.2 J15.3 J15.4 J15.5 J15.6 J15.7 J16.2 J16.3 J16.4 J16.5 M1.8 M1.10 M1.13 M1.15 M1.16 M1.17 M1.18 M1.19 M1.20 M1.21 M1.22 M1.24 M1.25 M1.28 M1.30 M1.32 M1.35 M1.37 M1.38 M1.39 M1.40 M1.43 M1.44 M1.45 M1.46 M1.47 M1.51 M1.53 M1.54 M1.55 M1.56 M1.59 M1.61 M1.62 M1.63 M1.64 M1.65 M1.66 M1.67 M1.68 M1.69 M1.70 M1.71 M1.72 M1.73 M1.74 M1.75 M1.76 M1.77 M1.78 M1.79 M1.80 U1.7 U2.6 U2.7 U2.11 U3.7 U3.11 U4.6 U4.7 U4.11 U5.7

## Keep-outs
Top Layer:
  circle w0.254: c105,5 r3
  circle w0.254: c5,5 r3
  circle w0.254: c105,105 r3
  circle w0.254: c5,105 r3

## Silkscreen, mask and mechanical layers (free items; w line width, h text height)
Top Overlay:
  text "UART" at 13.1,100.85 h1.52
  text "+6V" at 95,99.85 h1.52
  text "S +6 G" at 69.75,98.05 h1.52
  text "GND" at 82.7,97.5 h1.52
  text "Thruster" at 98.15,94.5 h1.52
  text "S +6 G" at 97.55,92.2 h1.52
  text "water check" at 22.45,87.55 h1.52
  text "GND" at 58.3,77.9 h1.52
  text "+3.3V" at 45.35,77.85 h1.52
  text "IO" at 108.5,74.35 h1.52 r90
  text "Derection / Sensor" at 47.846,71.596 h1.52
  text "Light" at 108.75,64.65 h1.52 r90
  text "TH" at 108.9,59.15 h1.52 r90
  text "Machine /    arm" at 90.3,46.5 h1.52
  text "Conveyer" at 108.85,35.65 h1.52 r90
  text "Machine /    arm" at 89.6,28.25 h1.52
  text "+3.3V" at 17.75,23.6 h1.52
  text "GND" at 10.75,23.55 h1.52
  text "Temperature / Sensor" at 10,13.95 h1.52
  text "POWER IN" at 88.1,3.85 h1.52
Mechanical 1:
  circle w0.254: c5,105 r1.6
  circle w0.254: c105,5 r1.6
  circle w0.254: c105,105 r1.6
  circle w0.254: c5,5 r1.6
  lines w0.254: 0,2.5 ccw(c2.5,2.5) 2.5,0 107.5,0 ccw(c107.5,2.5) 110,2.5 110,107.5 ccw(c107.5,107.5) 107.5,110 2.5,110 ccw(c2.5,107.5) 0,107.5 0,2.5

## Text inside footprints (layer, text, board x,y; h text height)
JP1: Top Overlay "12 12 P P" at 58.707,9.626 h1 r90; Top Overlay "5 G G 3.3" at 58.707,40.106 h1 r90
M1: Top Overlay "TypeC" at 14.191,77.698 h1.52 r90